# Altium PCB VLC_RX_PCB.PcbDoc
Units mm, origin at the board's own origin, x right, y up, seen from the top; angles counter-clockwise.
Board outline 62.5 x 60 mm, 2 copper layers (Top Layer, Bottom Layer); 17 components, 13 nets, 92 pads, 2 vias.
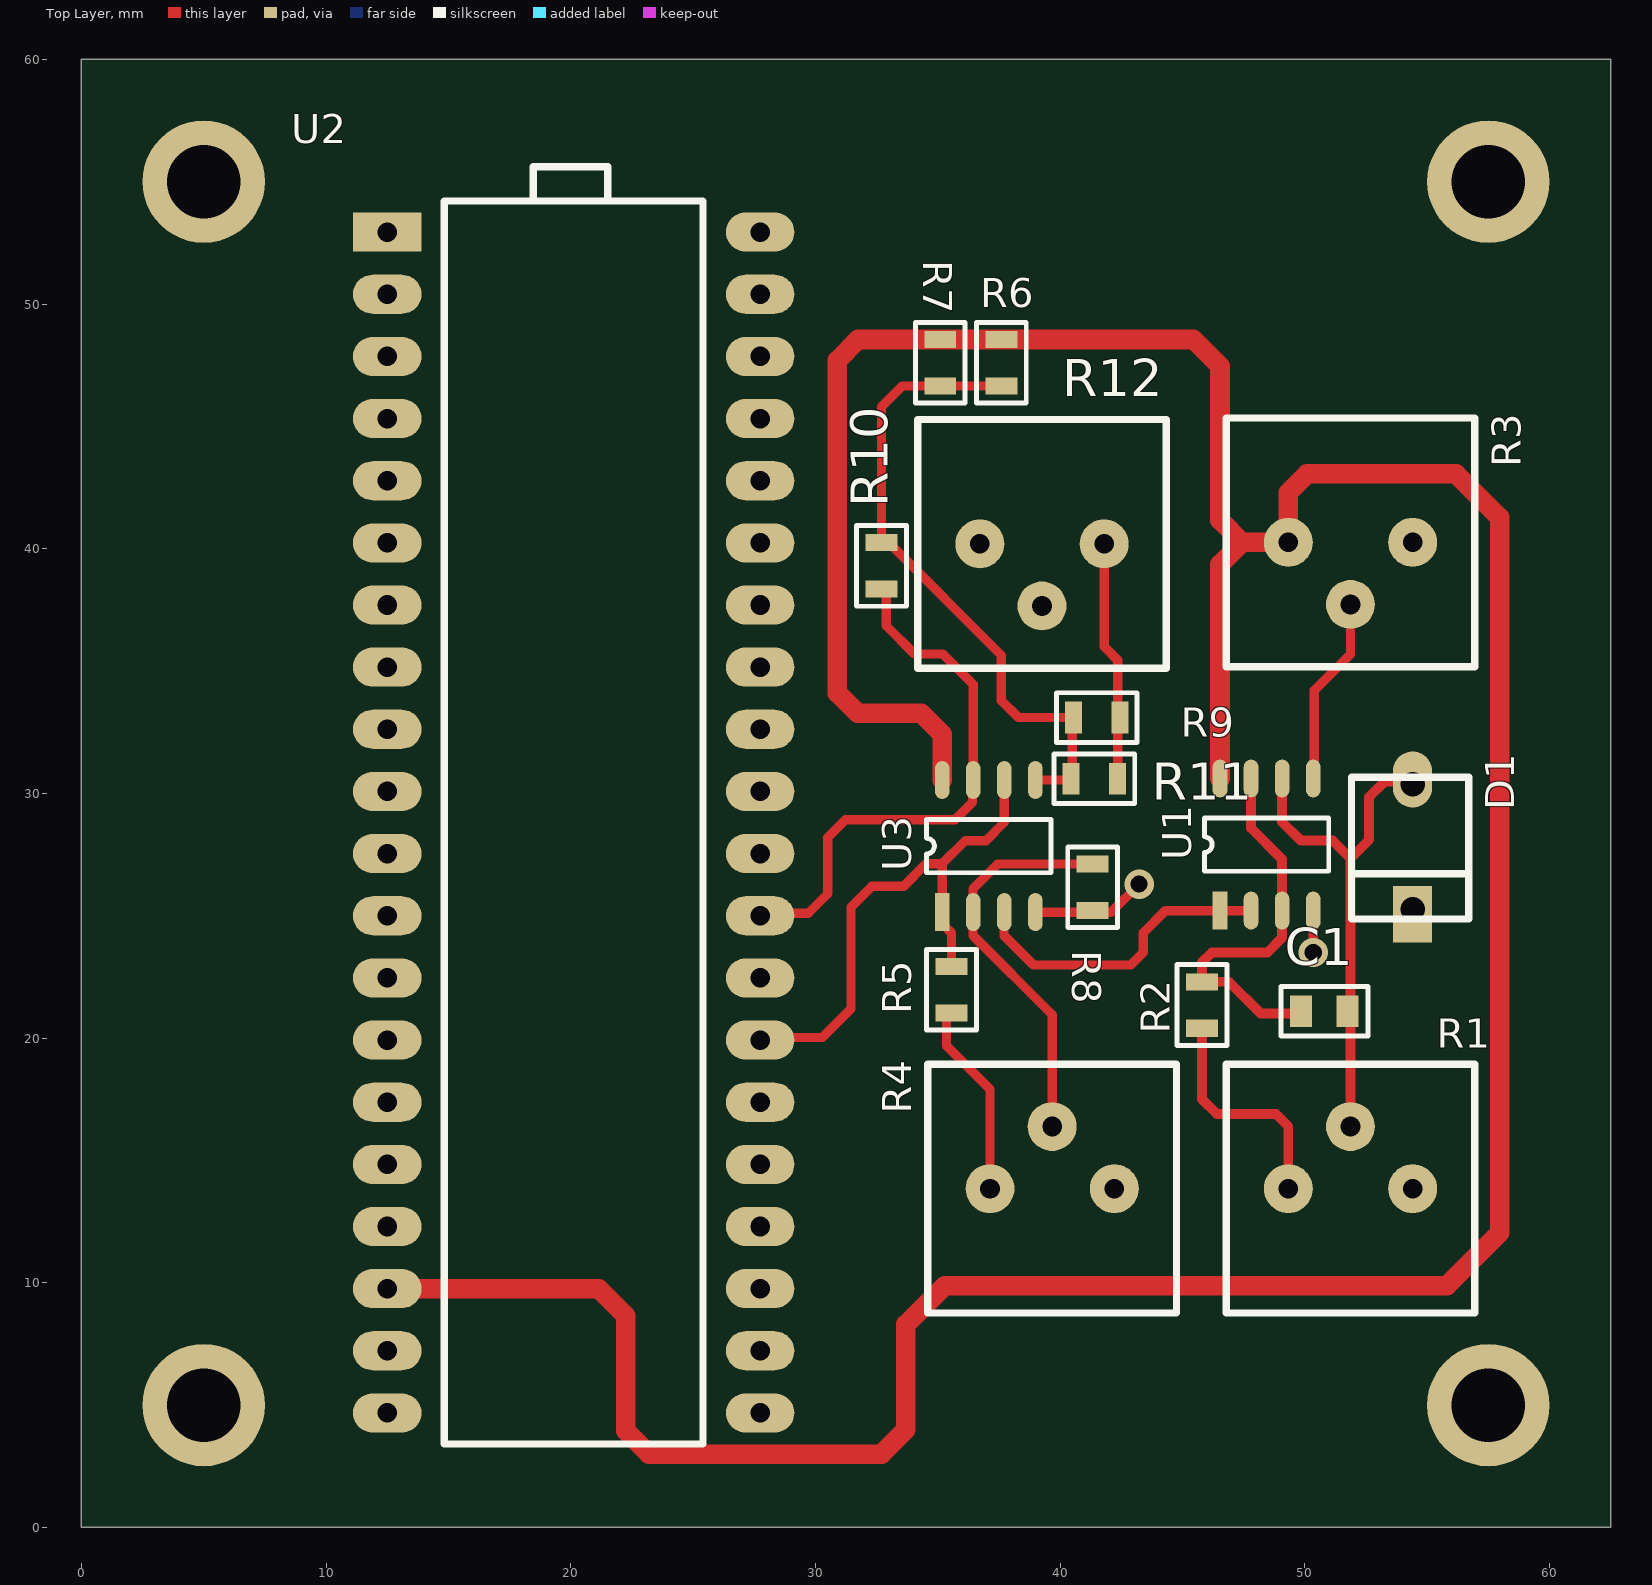
[diagram p0: Top Layer view]
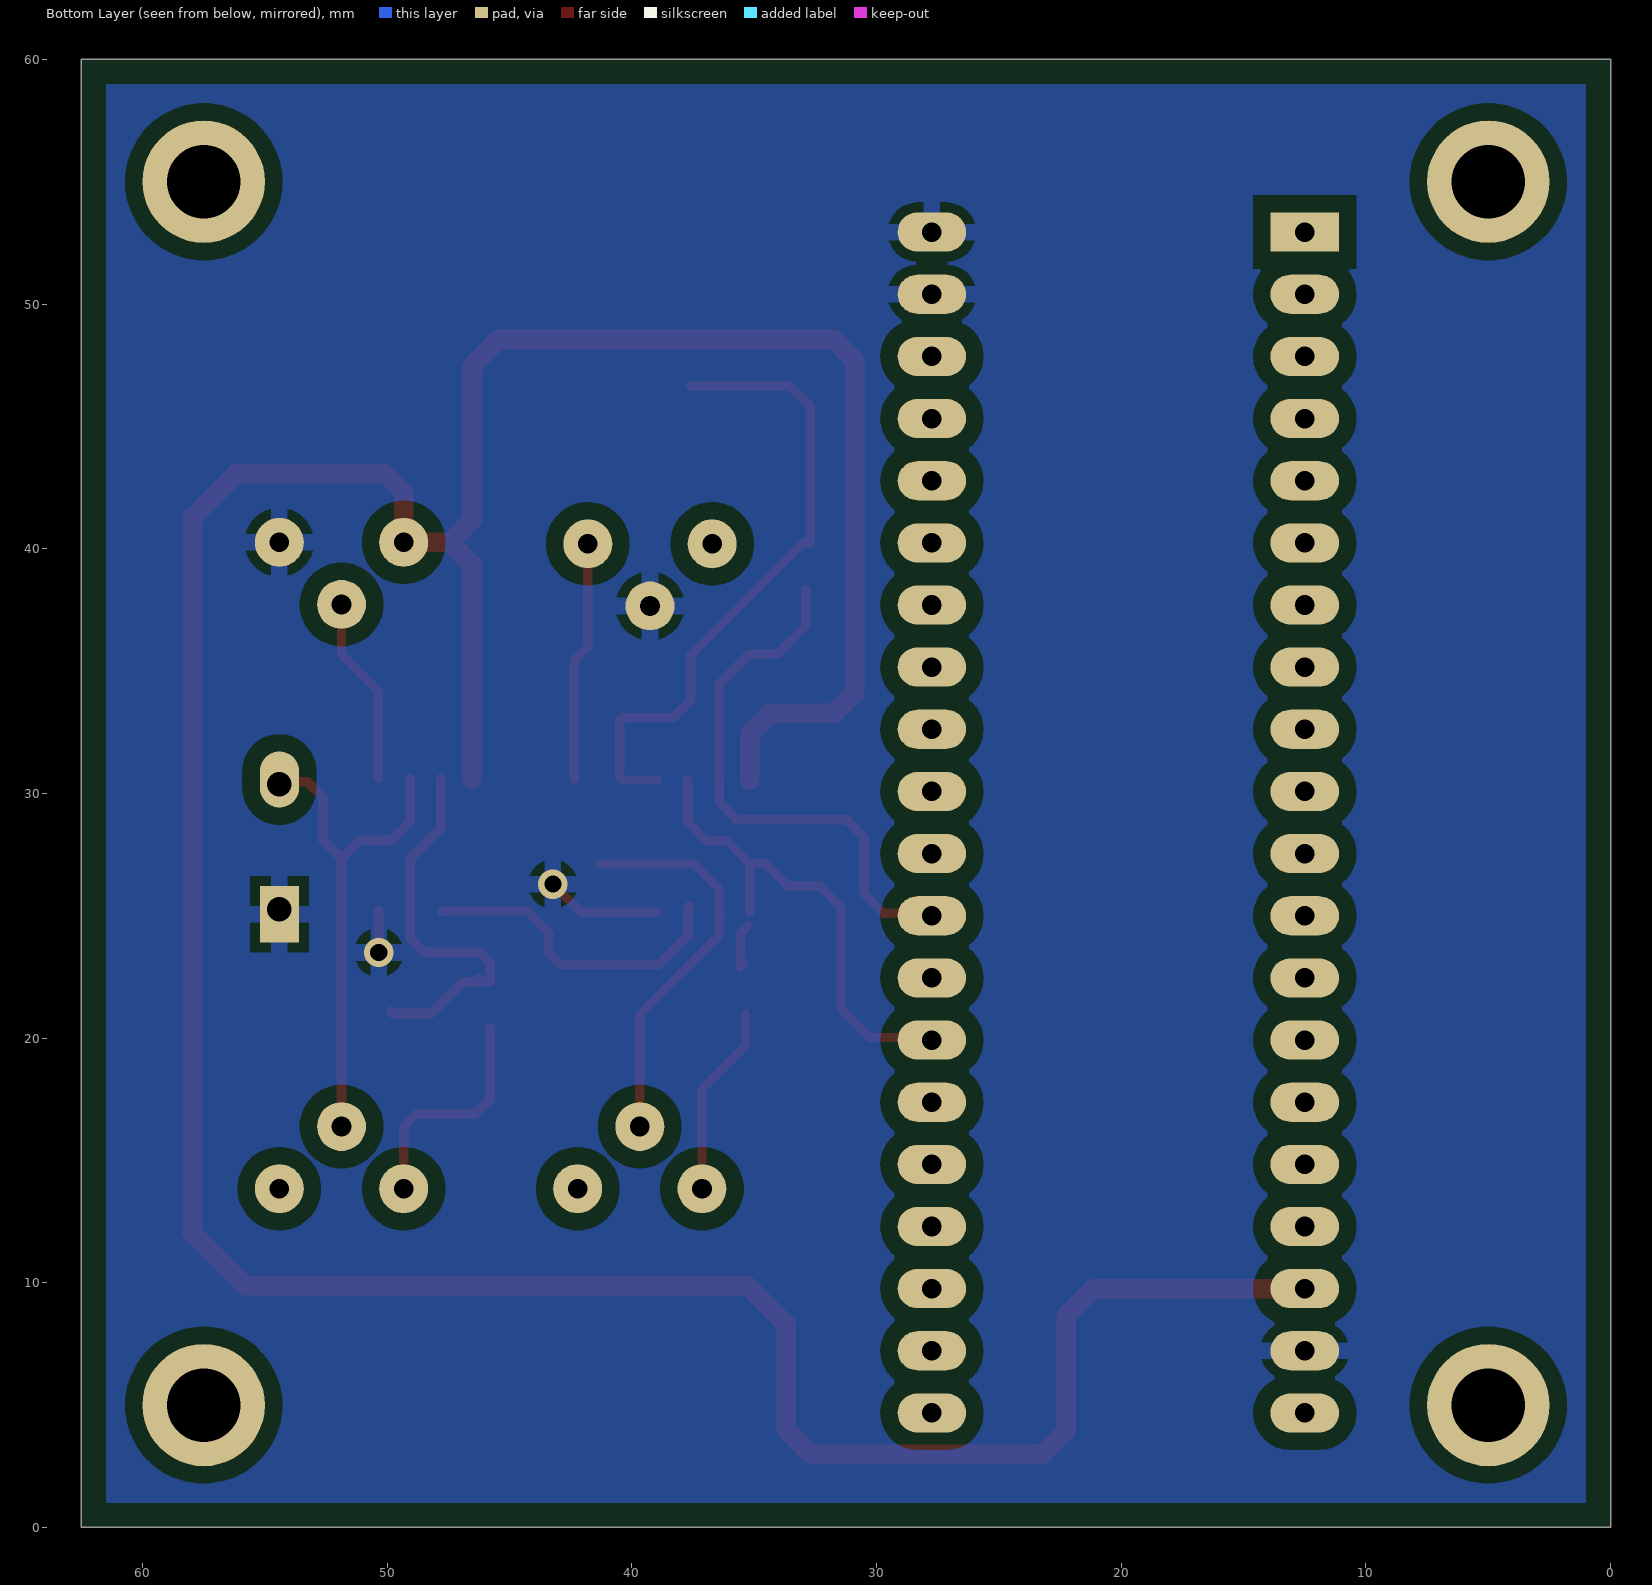
[diagram p1: Bottom Layer view, seen from below]

## Layer stack, top to bottom
Top Solder: solder mask 0.0102, Solder Resist, Dk 3.5
Top Layer: signal copper 0.0356
Dielectric 1: dielectric 0.32, FR-4, Dk 4.8
Bottom Layer: signal copper 0.0356
Bottom Solder: solder mask 0.0102, Solder Resist, Dk 3.5

## Board outline
0,0 62.5,0 62.5,60 0,60

## Design rules (kind name [scope] priority, off if disabled: settings)
BoardOutlineClearance [All] p1: gap=1 ignorepadtopadclearanceinfootprint=FALSE
Clearance Clearance_1 [InNamedPolygon('GND_L02_P000')] p1: gap=0.7 ignorepadtopadclearanceinfootprint=FALSE
Clearance [All] p2: gap=0.4 ignorepadtopadclearanceinfootprint=FALSE
PolygonConnect [All] p1: connectstyle=Relief reliefconductorwidth=0.7 reliefentries=4 polygonreliefangle="90 Angle" airgapwidth=0.4
RoutingVias [All] p1: holewidth=0.7 width=1.2 viastyle="Through Hole" minholewidth=0.6 minwidth=1 maxholewidth=0.9 maxwidth=1.4
SolderMaskExpansion [All] p1: expansion=0.102 istentingtop=FALSE
Width [All] p1: maxlimit=2 minlimit=0.3 preferedwidth=0.5
30 further rules are at their usual default settings.

## Components (designator, comment, footprint, x,y, rotation, side; value= is the part's Value field where it differs from the comment)
C1 "0805_10nF" "C0805 - 0.1uf" 50.8,21.1 r0 top
D1 "BPW34" BPW34 54.408,27.816 r90 top
R1 "POT" "POT 3386P" 51.868,16.386 r180 top
R2 "0805_560k" R0805 45.8,21.35 r270 top
R3 "POT" "POT 3386P" 51.868,37.722 r0 top
R4 "POT" "POT 3386P" 39.676,16.386 r180 top
R5 "0805_220k" R0805 35.562,21.974 r270 top
R6 "0805_R" R0805 37.6,47.6 r270 top
R7 "0805_R" R0805 35.1,47.6 r270 top
R8 "0805_100k" R0805 41.327,26.165 r270 top
R9 "0805_R" R0805 41.5,33.1 r0 top
R10 "0805_220k" R0805 32.7,39.3 r90 top
R11 "0805_R" R0805 41.4,30.6 r0 top
R12 "POT" "POT 3386P" 39.26,37.66 r0 top
U1 "TL082" SOP8 46.534,25.21 r90 top
U2 "BluePill" BluePill 12.5,52.94 r0 top
U3 "TL082" SOP8 35.181,25.149 r90 top

## Footprints (in the part's own frame and the unit in brackets; to place one, negate y for a bottom-side part, rotate by r counter-clockwise, add the part's x,y. Pads: shape width x height; smd on the part's side, far side on the other; paste and mask are expansions set on the pad)
BluePill [mm] "STM32_BluePill"
  rect 2.8x1.6 hole 0.8: 1(0,0)
  oval 2.8x1.6 hole 0.8: 2(0,-2.54) 3(0,-5.08) 4(0,-7.62) 5(0,-10.16) 6(0,-12.7) 7(0,-15.24) 8(0,-17.78) 9(0,-20.32) 10(0,-22.86) 11(0,-25.4) 12(0,-27.94) 13(0,-30.48) 14(0,-33.02) 15(0,-35.56) 16(0,-38.1) 17(0,-40.64) 18(0,-43.18) 19(0,-45.72) 20(0,-48.26) 21(15.24,-48.26) 22(15.24,-45.72) 23(15.24,-43.18) 24(15.24,-40.64) 25(15.24,-38.1) 26(15.24,-35.56) 27(15.24,-33.02) 28(15.24,-30.48) 29(15.24,-27.94) 30(15.24,-25.4) 31(15.24,-22.86) 32(15.24,-20.32) 33(15.24,-17.78) 34(15.24,-15.24) 35(15.24,-12.7) 36(15.24,-10.16) 37(15.24,-7.62) 38(15.24,-5.08) 39(15.24,-2.54) 40(15.24,0)
  silkscreen extent 2.33,-49.53 12.91,2.67, body extent -4.06,-50.38 18.54,2.62, height 19.8
BPW34 [mm]
  rect 2.3x1.6 hole 1 copper offset -0.2,0: A(-2.55,0)
  oval 2.3x1.6 hole 1 copper offset 0.2,0: K(2.55,0)
  silkscreen extent -2.95,-2.3 2.85,2.5, body extent -2.74,-2.1 2.66,2.3, height 3.09
"C0805 - 0.1uf" [mm]
  rect 0.9x1.3 smd: 1(-0.95,0) 2(0.95,0)
  silkscreen extent -1.78,-1.02 1.78,1.02, body extent -1,-0.6 1,0.6, height 0.96
"POT 3386P" [mm]
  round 2 hole 0.8: 1(-2.54,2.54) 2(2.54,2.54) 3(0,0)
  silkscreen extent -5.08,-2.54 5.08,7.62, body extent -4.76,-2.16 4.76,7.36, height 4.95
R0805 [mm]
  rect 0.7x1.3 smd: 1(-0.95,0) 2(0.95,0)
  silkscreen extent -1.65,-1.02 1.65,1.02, body extent -1,-0.6 1,0.6, height 0.71
SOP8 [mm]
  rect 1.55x0.6 smd: 1(0,0)
  oval 1.55x0.6 smd: 2(0,-1.27) 3(0,-2.54) 4(0,-3.81) 5(5.4,-3.81) 6(5.4,-2.54) 7(5.4,-1.27) 8(5.4,0)
  silkscreen extent 1.61,-4.44 3.79,0.64, body extent -0.43,-4.37 5.77,0.64, height 1.62

## Part data
C1: library part "0805 Capacitor", "0805 Capacitor"
D1: "PIN photodiode with high speed and high / radiant sensitivity in miniature, flat, top view, clear plastic / package. It is sensitive to visible and near infrared radiation. / BPW34S is packed in tubes, specifications like BPW34."
R2 R5 R6 R7 R8 R9 R10 R11: library part "0805 Resistor"
U1 U3: "TL082CD SO-8 Operational Amplifier SMD IC"
U2: library part "STM32 BluePill"

## Free pads (board coordinates)
  round 5 hole 3: 1(5,5) 1(5,55) 2(57.5,5) 3(57.5,55)

## Via types
v1: diameter 1.2, hole 0.7, Top Layer to Bottom Layer, 2 vias

## Nets (pads, with @x,y where several pads share a name; then routed paths per layer and width w, separated by ;. In a path a pad name is that pad's centre, name@x,y a point inside that pad or via, vN(x,y) a via of type N, cw(c..) or ccw(c..) an arc to the next point about the centre after c; other vN are vias at no path point)
+5: R3.1 R6.1 R7.1 U1.8 U2.18 U3.8 | length 154.6
  Top Layer w0.8: U2.18 21.14,9.76 22.25,8.65 22.25,3.95 23.2,3 32.7,3 33.7,4 33.7,8.3 35.287,9.887 55.813,9.887 57.964,12.037 57.964,41.278 56.186,43.056 50.09,43.056 49.328,42.294 R3.1 47.438,40.262 ; U3.8 35.181,32.419 34.323,33.277 31.723,33.277 30.9,34.1 30.9,47.7 31.75,48.55 R7.1 R6.1 45.45,48.55 46.534,47.466 46.534,41.166 47.438,40.262 ; U1.8 46.534,39.358 47.438,40.262
GND: D1.A R3.2 R8.2 R12.3 U1.4 U2.19 U2.39 U2.40 U3.4 | length 6.4
  Top Layer w0.381: U3.4 42.089,25.149 v1(43.232,26.292) ; v1(50.344,23.498) U1.4
NetC1_2: C1.2 D1.K R1.3 U1.6 | length 21.1
  Top Layer w0.4: U1.6 49.074,28.832 49.836,28.07 51.139,28.07 51.868,27.341 ; R1.3 51.868,27.341 ; D1.K 54.265,30.508 54.235,30.478 53.26,30.478 52.63,29.848 52.63,28.103 51.868,27.341
NetR1_2: R1.2 R2.2 | length 9.4
  Top Layer w0.4: R2.2 45.8,17.5 46.406,16.894 48.82,16.894 49.328,16.386 R1.2
NetR3_3: R3.3 U1.5 | length 7.5
  Top Layer w0.381: U1.5 50.386,30.652 50.386,34.208 51.868,35.69 R3.3@51.868,37.468
NetR4_2: R4.2 R5.2 | length 7.3
  Top Layer w0.381: R5.2@35.358,20.958 35.358,19.688 37.136,17.91 R4.2@37.136,14.354
NetR4_3: R4.3 R8.1 U3.2 | length 16.2
  Top Layer w0.381: R4.3@39.676,16.64 39.676,20.958 36.441,24.193 36.441,25.082 36.374,25.149 36.441,25.216 36.441,26.105 37.451,27.115 R8.1
NetR6_2: R6.2 R7.2 R9.1 R10.2 R11.1 U3.5 | length 26.6
  Top Layer w0.381: R6.2 R7.2 33.55,46.65 32.7,45.8 R10.2 33,40.25 37.6,35.65 37.6,33.8 38.3,33.1 40.391,33.1 40.5,32.99 40.5,30.65 R11.1 40.399,30.549 U3.5
NetR9_2: R9.2 R11.2 R12.2 | length 9.8
  Top Layer w0.381: R12.2 41.8,36 42.35,35.45 R11.2
OUT1: C1.1 R2.1 U1.3 U1.7 | length 16.4
  Top Layer w0.4: R2.1@46.25,22.45 R2.1@46.1,22.3 ; U1.7 47.804,28.578 49.074,27.308 U1.3 49.074,24.1 48.474,23.5 46.2,23.5 45.8,23.1 R2.1 R2.1@46.1,22.3 ; C1.1 49.75,21 48.2,21 46.9,22.3 R2.1@46.1,22.3
OUT2: U1.1 U1.2 U3.3 | length 13.2
  Top Layer w0.381: U3.3@37.644,25.407 37.711,25.34 37.711,24.193 38.914,22.99 42.89,22.99 43.4,23.5 43.4,24.3 44.31,25.21 U1.1 47.72,25.21 U1.2@47.762,25.168
OUT3: R5.1 U2.27 U3.1 U3.6 | length 22.3
  Top Layer w0.381: U2.27@27.23,20.022 30.278,20.022 31.452,21.196 31.452,25.352 32.3,26.2 33.6,26.2 34.531,27.131 35.181,27.131 ; U3.1 35.181,27.131 ; U3.1@35.262,24.593 35.562,24.293 R5.1 35.421,23.083 R5.1@35.421,23.085 ; U3.6 37.721,28.821 36.97,28.07 36.12,28.07 35.181,27.131
OUT4: R10.1 U2.29 U3.7 | length 23.3
  Top Layer w0.381: U2.29@27.23,25.102 29.702,25.102 30.5,25.9 30.5,28.2 31.227,28.928 35.708,28.928 36.417,29.637 36.417,30.515 U3.7 36.451,34.449 35.2,35.7 34.052,35.7 32.9,36.852 R10.1@32.9,38.35
pads on no net: R1.1 R4.1 R12.1 U2.1 U2.2 U2.3 U2.4 U2.5 U2.6 U2.7 U2.8 U2.9 U2.10 U2.11 U2.12 U2.13 U2.14 U2.15 U2.16 U2.17 U2.20 U2.21 U2.22 U2.23 U2.24 U2.25 U2.26 U2.28 U2.30 U2.31 U2.32 U2.33 U2.34 U2.35 U2.36 U2.37 U2.38

## Polygon pours and split planes (outlines as drawn)
GND on Bottom Layer "GND_L02_P000" (solid, pour order 0): 0,0 62.5,0 62.5,60 0,60